# Altium PCB CMRat_GEN2.8.PcbDoc (part 3 of 4) (continued)
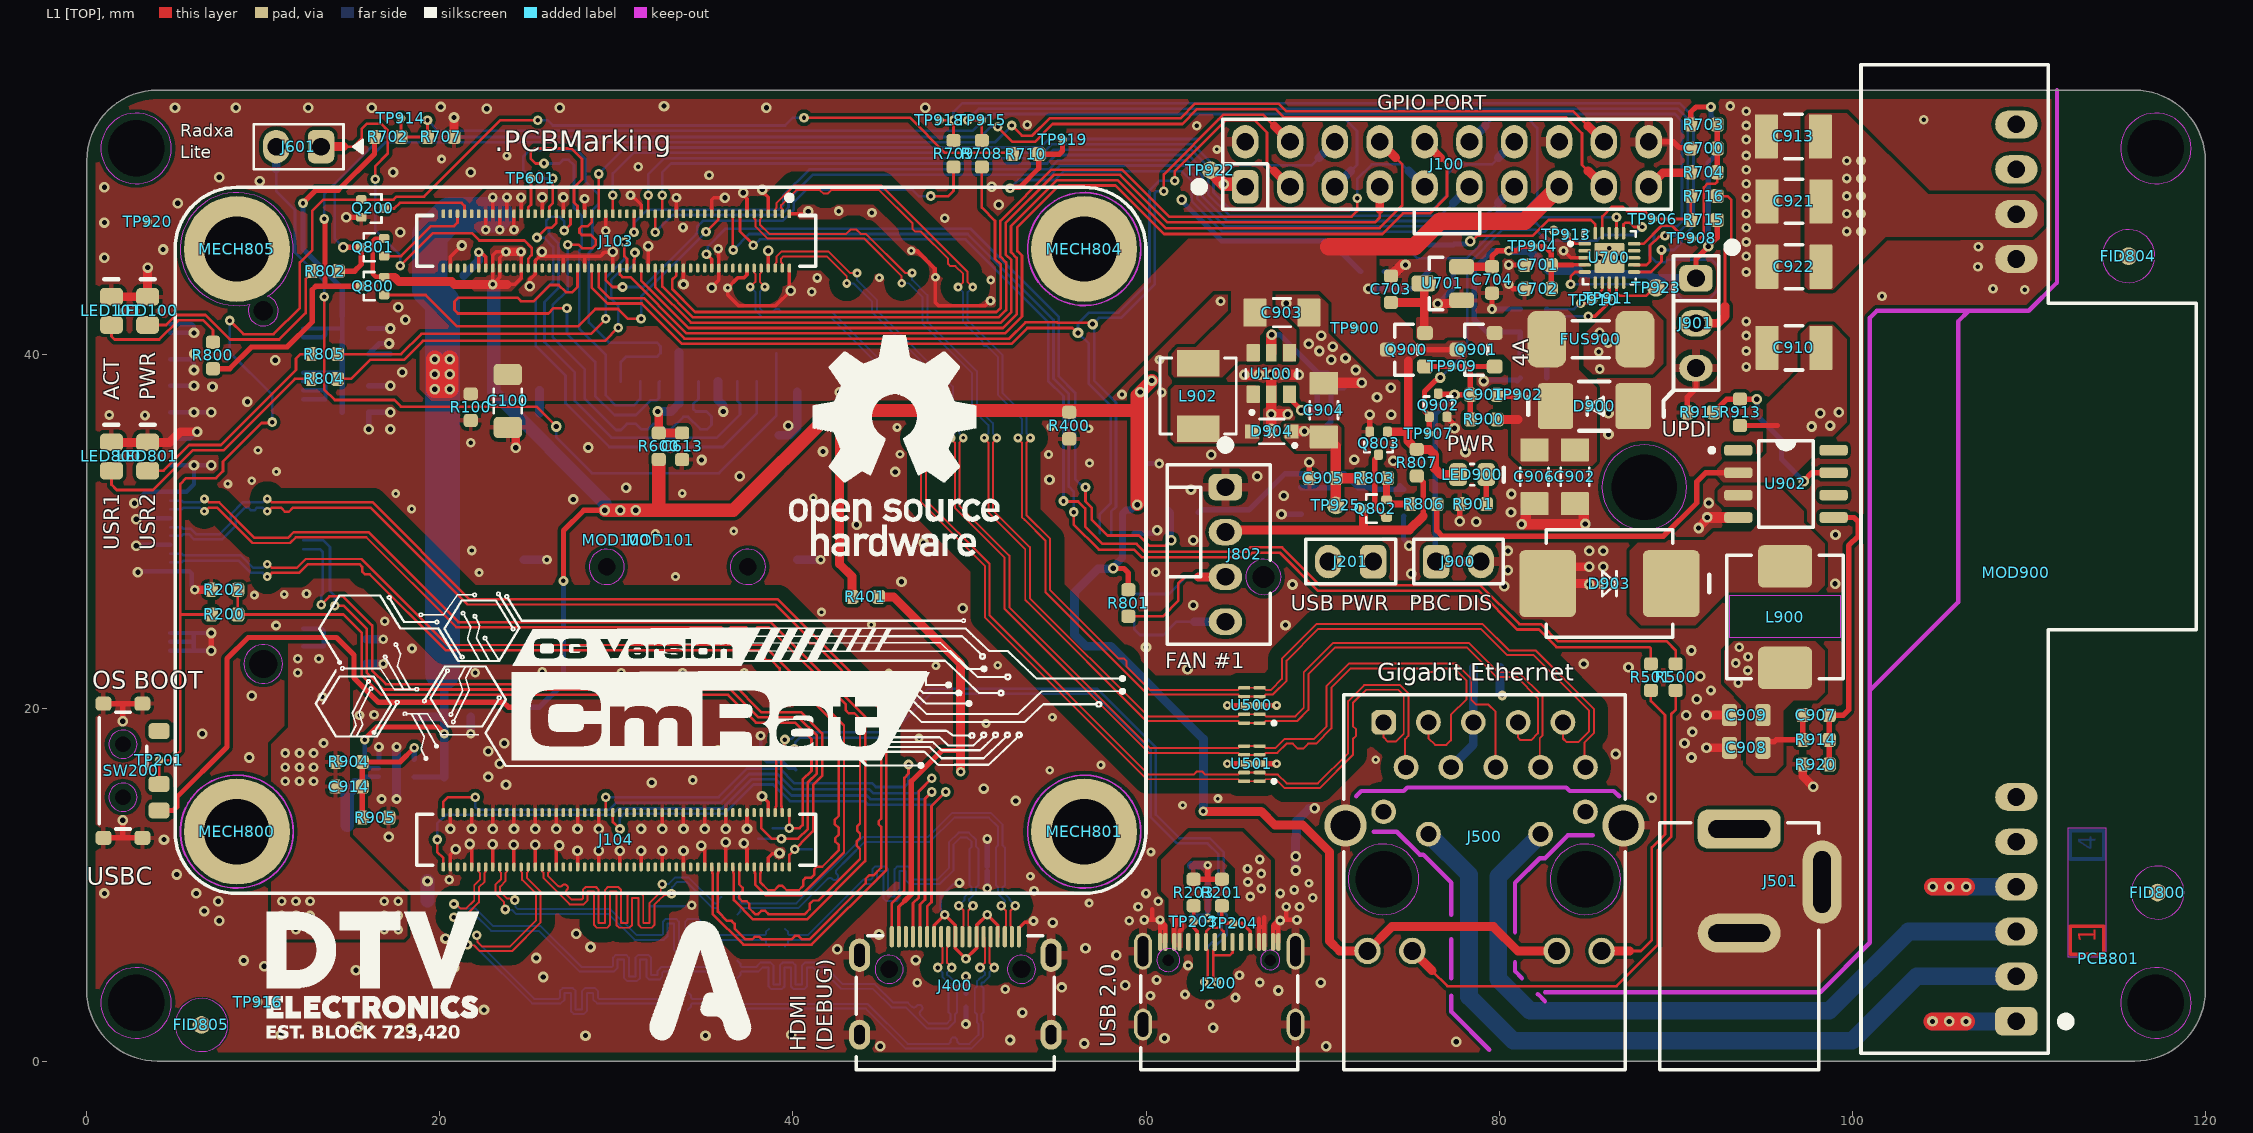
[diagram p0: L1 [TOP] view]
## Nets (pads, with @x,y where several pads share a name; then routed paths per layer and width w, separated by ;. In a path a pad name is that pad's centre, name@x,y a point inside that pad or via, vN(x,y) a via of type N, cw(c..) or ccw(c..) an arc to the next point about the centre after c; other vN are vias at no path point) (continued)
  L1 [TOP] w0.15: U700.19@85.85,46.9 85.85,47.849 86.401,48.4 86.989,48.4 87.294,48.095 88.305,48.095 TP906.1@88.7,47.7 90.8,47.7 R715.1@90.85,47.65 R716.2@90.85,49
MCU_USR_SWI: C700.2 R703.1 R704.2 TP908.1 U700.15 | length 11.6
  L1 [TOP] w0.15: U700.15@87.65,46.3 88.193,46.3 89.212,47.32 89.805,47.32 90.524,46.601 TP908.1@90.905,46.601 91.364,46.601 91.6,46.837 91.6,49.5 91.8,49.7 92.254,49.7 92.35,49.796 R704.2@92.35,50.35
  L1 [TOP] w0.3: R704.2@92.35,50.35 C700.2@92.35,51.7 R703.1@92.35,53.05
NetC500_2: C500.2 J500.4 J500.5 | length 6.2
  L4 [BOT] w0.5: J500.4@77.27,16.65 78.54,17.92 J500.5@78.54,19.19 ; J500.5@78.55,19.2 J500.5@78.54,19.19 ; C500.2@78.551,22.3 J500.5@78.54,19.19
NetC907_1: C907.1 R914.1 R920.1 U902.5 | length 16.4
  L1 [TOP] w0.3: R920.1@98.7,16.8 R914.1@98.7,18.2 C907.1@98.7,19.6 99.5,19.6 99.8,19.9 99.8,29.2 100.35,29.75 100.35,30.55 100.105,30.795 U902.5@98.95,30.795
NetC913_2: C913.2 C921.2 C922.2 L901.1 MOD900.8 | length 13.6
  L3 w0.5: 100.1,47 v1(100.5,47) v1(100.5,48) v1(100.5,49) v1(100.5,50) v1(100.5,51) 100.1,51 ; 100.1,47 v1(99.7,47) v1(99.7,48) v1(99.7,49) v1(99.7,50) v1(99.7,51) 100.1,51 ; 100.1,47 100.1,51
NetD902_2: D902.2 J501.1
NetD903_1: D903.1 L900.1 U902.3
NetD904_A: D904.A L902.2 U100.1
NetJ500_16: J500.16 R500.2 | length 30.5
  L1 [TOP] w0.15: 76.206,5.119 77.075,4.25 86.65,4.25 89,6.6 89,11.955 89.75,12.705 89.75,19.65 90,19.9 R500.2@90,21
  L1 [TOP] w0.5: J500.16@75.085,6.24 76.206,5.119
NetJ500_18: J500.18 R501.2 | length 17.9
  L1 [TOP] w0.15: 87.39,6.24 88.04,6.24 88.65,6.85 88.65,12.1 89.4,12.85 89.4,19.1 89.4,19.6 88.6,20.4 R501.2@88.6,21
  L1 [TOP] w0.5: J500.18@85.805,6.24 87.39,6.24
NetL903_1: L903.1 U900.6 | length 4
  L4 [BOT] w0.25: 15.2,15.65 15.65,16.1 U900.6@16.55,16.1
  L4 [BOT] w0.75: L903.1@14.75,13.35 14.75,15.2 15.2,15.65
NetLED100_2: LED100.2 R802.1 | length 12.9
  L1 [TOP] w0.15: LED100.2@3.45,41.7 4.501,41.7 5.065,42.264 6.726,42.264 8.115,40.875 10.9,40.875 12.395,42.37 12.395,44.312 12.75,44.667 R802.1@12.75,44.75
NetLED101_2: LED101.2 R800.1 | length 7.8
  L1 [TOP] w0.15: LED101.2@1.4,41.7 1.4,41.057 1.584,40.873 4.098,40.873 5.189,41.964 6.602,41.964 7.15,41.416 R800.1@7.15,40.725
NetLED800_2: LED800.2 R804.2 | length 14.8
  L1 [TOP] w0.15: LED800.2@1.4,33.45 1.4,32.65 1.7,32.35 3.75,32.35 6,34.6 7.75,34.6 11.8,38.65 R804.2@12.7,38.65
NetLED801_2: LED801.2 R805.2 | length 12.4
  L1 [TOP] w0.15: LED801.2@3.45,33.45 4.347,33.45 5.797,34.9 7.6,34.9 11.85,39.15 11.85,39.8 12.1,40.05 R805.2@12.7,40.05
NetLED900_1: LED900.1 R901.2 | length 2.3
  L1 [TOP] w0.3: R901.2@79.337,31.612 R901.2@79.275,31.55 LED900.1@79.275,33.225 ; LED900.1@79.337,33.163 LED900.1@79.275,33.225 ; LED900.1@79.575,33.525 LED900.1@79.275,33.225
NetQ802_1: Q802.1 Q803.3 | length 4
  L1 [TOP] w0.3: Q803.3@73.175,34.35 73.175,34.3 72.95,34.075 72.95,31.425 73.575,30.8 Q802.1@73.625,30.8
NetQ802_2: Q802.2 R803.1 R806.1 | length 2.7
  L1 [TOP] w0.4: R803.1@73.625,33.075 Q802.2@73.625,31.8 73.675,31.8 73.925,31.55 R806.1@74.975,31.55
NetR205_1: R205.1 U201.3 | length 1.6
  L4 [BOT] w0.3: R205.1@68.762,32.513 R205.1@68.8,32.475 U201.3@70.375,32.475
NetR902_2: R902.2 R903.1 U100.3 | length 3.4
  L1 [TOP] w0.3: U100.3@68.125,37.775 68.35,37.55 68.35,37.325 v4(68.8,36.875)
  L4 [BOT] w0.3: v4(68.8,36.875) 68.813,36.862 69.687,36.862 R903.1@69.7,36.85 R902.2@69.7,38.125
NetR913_1: R913.1 R915.1 U902.7 | length 10.4
  L1 [TOP] w0.3: R915.1@92.15,36.75 92.9,37.5 R913.1@93.65,37.5 v2(94.6,37.5) ; v2(97.25,32.85) 97.735,33.335 U902.7@98.95,33.335
  L4 [BOT] w0.3: v2(94.6,37.5) 94.6,36.577 96,35.177 96,34.1 v2(97.25,32.85)
OTG_SEL: Q200.1 R200.2 R710.1 SW200.2 TP201.1 | length 87
  L1 [TOP] w0.15: SW200.2@4.1,15.7 TP201.1@4.1,17.04 4.764,17.04 5.3,17.575 5.3,25.3 ; R200.2@7.05,25.3 5.3,25.3 ; v1(8.1,41.95) 8.875,41.175 10.575,41.175 12.073,42.673 12.073,45.248 12.775,45.95 12.775,48.175 13.4,48.8 Q200.1@15.55,48.8 17.388,48.8 17.553,48.965 19.111,48.965 23.446,53.3 v1(25.55,53.3) ; v1(10.5,36.2) 10.446,36.146 9.896,36.146 7.72,33.97 7.72,33.416 7.323,33.02 5.62,33.02 5.3,32.7 5.3,25.3 ; v1(40.626,53.444) 46.622,53.444 48.616,51.45 52.35,51.45 R710.1@52.425,51.375
  L4 [BOT] w0.15: v1(8.1,41.95) 8.1,40.15 10.5,37.75 v1(10.5,36.2) ; v1(25.55,53.3) 26.1,53.3 26.4,53 39.564,53 40.007,53.444 v1(40.626,53.444)
PBC_DBG: TP923.1 U700.9 | length 3.1
  L1 [TOP] w0.15: U700.9@86.65,44.1 86.65,43.55 86.85,43.35 88.325,43.35 88.775,43.8 TP923.1@88.9,43.8
PBC_RFU: U700.14
PBC_RXD: R709.1 TP918.1 U700.11 | length 55.9
  L1 [TOP] w0.15: TP918.1@48.3,53.3 v1(49.1,53.3) ; R709.1@49.1,52.15 v1@49.1,53.2 ; U700.11@87.65,44.7 88.6,44.7 89.2,45.3 v1(89.2,45.95)
  L4 [BOT] w0.15: v1(49.1,53.3) 49.1,53.768 49.582,54.25 90.24,54.25 91.01,53.48 91.01,47.31 90.35,46.65 90.35,46.4 89.9,45.95 v1(89.2,45.95)
PBC_TXD: R708.1 TP915.1 U700.12 | length 53.7
  L1 [TOP] w0.15: v1(49.9,53.3) TP915.1@50.7,53.3 R708.1@50.7,52.15 ; U700.12@87.65,45.1 88.35,45.1 88.55,45.3 88.55,46.197 89.048,46.695 89.345,46.695 v1(89.4,46.75)
  L4 [BOT] w0.15: v1(49.9,53.3) 50.55,53.95 90.116,53.95 90.683,53.383 90.683,47.458 89.974,46.75 v1(89.4,46.75)
PCIe_CLK_N: J300.53 MOD100.112 | length 57.3
  L1 [TOP] w0.141: v3(10.225,28.15) 10.284,28.15 10.487,27.947 11.907,27.947 12.403,28.443 15.572,28.443 20.442,23.573 38.339,23.573 42.893,19.019 42.893,11.828 40.538,9.473 40.452,9.387 38.482,9.387 37.853,10.016 37.853,10.64 37.827,10.667 37.827,10.973 MOD100.112@37.8,11
  L4 [BOT] w0.141: J300.53@4.725,28.75 5.373,28.75 5.476,28.647 8.728,28.647 9.428,27.947 9.963,27.947 10.166,28.15 v3(10.225,28.15)
PCIe_CLK_P: J300.55 MOD100.110 | length 57.3
  L1 [TOP] w0.141: v3(10.225,27.45) 10.284,27.45 10.487,27.653 12.028,27.653 12.525,28.15 15.45,28.15 15.6,28 15.6,27.734 15.754,27.58 16.02,27.58 20.321,23.279 38.218,23.279 38.4,23.097 38.4,22.805 38.508,22.697 38.8,22.697 39.25,22.247 39.25,21.918 39.368,21.8 39.697,21.8 42.6,18.897 42.6,13.9 42.357,13.657 42.357,13.443 42.6,13.2 42.6,12.833 42.4,12.633 42.4,12.44 42.6,12.24 42.6,11.95 41.661,11.011 41.353,11.011 41.204,10.862 41.204,10.554 41.032,10.382 40.711,10.382 40.572,10.242 40.572,9.922 40.33,9.68 39.65,9.68 39.405,9.925 39.194,9.925 38.948,9.68 38.604,9.68 38.147,10.137 38.147,10.64 38.173,10.667 38.173,10.973 MOD100.110@38.2,11
  L4 [BOT] w0.141: J300.55@4.725,28.25 5.373,28.25 5.476,28.353 8.607,28.353 9.307,27.653 9.963,27.653 10.166,27.45 v3(10.225,27.45)
PCIe_nCLKREQ: J300.52 MOD100.102 TP301.1 | length 46.8
  L1 [TOP] w0.15: v1(13.275,25.85) 13.75,26.325 14.525,26.325 16.169,24.681 16.169,22.12 16.939,21.35 36.625,21.35 38.203,19.772 40.452,19.772 41.659,18.566 41.659,16.159 41.15,15.65 41.15,13.026 39.8,11.676 MOD100.102@39.8,11
  L4 [BOT] w0.15: J300.52@12.275,29 13.22,29 13.367,28.854 13.367,26.467 13.275,26.375 v1(13.275,25.85) ; v1(40.1,12) TP301.1@41.05,12
PCIe_nRST: J300.50 MOD100.109 TP300.1 | length 47.7
  L1 [TOP] w0.15: v1(14.05,25.8) 14.55,25.8 15.869,24.481 15.869,21.996 16.815,21.05 36.475,21.05 38.053,19.472 40.328,19.472 41.352,18.448 41.352,16.3 40.85,15.798 40.85,13.15 40.3,12.6 v1(39.35,12.6) 38.8,12.6 38.2,13.2 MOD100.109@38.2,14.08
  L4 [BOT] w0.15: J300.50@12.275,29.5 13.4,29.5 13.782,29.118 13.782,26.618 14.05,26.35 v1(14.05,25.8) ; TP300.1@38.05,12.6 v1(39.35,12.6)
PCIe_RX_N: J300.41 MOD100.118 | length 64.2
  L1 [TOP] w0.141: v3(6.662,31.85) 6.721,31.85 6.924,31.647 7.503,31.647 9.507,29.643 11.4,29.643 11.727,29.97 15.953,29.97 21.055,24.869 26.686,24.869 38.74,24.868 38.825,24.783 ; MOD100.118@36.6,11 36.627,10.973 36.627,10.667 36.653,10.64 36.653,9.121 37.739,8.035 40.797,8.035 44.093,11.331 44.093,19.516 38.826,24.783
  L4 [BOT] w0.141: J300.41@4.725,31.75 5.373,31.75 5.476,31.647 6.4,31.647 6.603,31.85 v3(6.662,31.85)
PCIe_RX_P: J300.43 MOD100.116 | length 64.2
  L1 [TOP] w0.141: v3(6.662,31.15) 6.721,31.15 6.924,31.353 7.382,31.353 9.385,29.35 11.522,29.35 11.848,29.677 15.832,29.677 20.933,24.575 26.702,24.575 ; 26.702,24.575 35.954,24.575 36.12,24.41 36.307,24.41 36.472,24.575 37.345,24.575 37.573,24.348 37.754,24.348 37.982,24.575 38.619,24.575 42.997,20.197 42.997,19.863 43.151,19.709 43.485,19.709 43.8,19.394 43.8,13.45 43.637,13.287 43.637,13.063 43.8,12.9 43.8,12.629 43.61,12.439 43.61,12.21 43.8,12.02 43.8,11.453 41.447,9.1 41.15,9.1 40.95,8.9 40.95,8.603 40.675,8.328 38.615,8.328 38.426,8.518 38.218,8.518 38.028,8.328 37.861,8.328 37.529,8.66 37.529,8.914 37.383,9.06 37.129,9.06 36.947,9.242 36.947,9.438 37.145,9.636 37.145,9.82 36.947,10.018 36.947,10.64 36.973,10.667 36.973,10.973 MOD100.116@37,11
  L4 [BOT] w0.141: J300.43@4.725,31.25 5.373,31.25 5.476,31.353 6.4,31.353 6.603,31.15 v3(6.662,31.15)
PCIe_TX_N: J300.47 MOD100.124 | length 70.9
  L1 [TOP] w0.141: v3(10.225,31.85) 10.284,31.85 10.487,31.647 16.203,31.647 21.69,26.16 39.146,26.16 45.293,20.013 45.293,10.834 41.059,6.6 37.2,6.6 35.453,8.347 35.453,10.64 35.427,10.667 35.427,10.973 MOD100.124@35.4,11
  L4 [BOT] w0.141: J300.47@4.725,30.25 5.373,30.25 5.476,30.147 5.903,30.147 6.2,29.85 7.535,29.85 8.157,30.472 8.157,30.972 8.832,31.647 9.963,31.647 10.166,31.85 v3(10.225,31.85)
PCIe_TX_P: J300.49 MOD100.122 | length 70.9
  L1 [TOP] w0.141: v3(10.225,31.15) 10.284,31.15 10.487,31.353 10.997,31.353 11.228,31.122 11.445,31.122 11.676,31.353 16.082,31.353 21.569,25.866 39.025,25.866 40.836,24.056 40.836,23.807 40.966,23.677 41.214,23.677 44.31,20.581 44.31,20.365 44.469,20.206 44.686,20.206 45,19.891 45,18.27 44.812,18.082 44.812,17.817 45,17.629 45,13.73 44.856,13.586 44.856,13.419 45,13.275 45,10.956 44.561,10.516 44.311,10.516 44.125,10.33 44.125,10.081 40.938,6.893 40.523,6.893 40.327,7.09 40.107,7.09 39.91,6.893 38.243,6.893 38.082,7.054 37.859,7.054 37.698,6.893 37.321,6.893 36.697,7.518 36.697,7.776 36.525,7.947 36.267,7.947 35.747,8.468 35.747,10.64 35.773,10.667 35.773,10.973 MOD100.122@35.8,11
  L4 [BOT] w0.141: J300.49@4.725,29.75 5.373,29.75 5.476,29.853 5.782,29.853 6.078,29.557 7.657,29.557 8.45,30.35 8.45,30.85 8.953,31.353 9.147,31.353 9.3,31.2 9.497,31.2 9.65,31.353 9.963,31.353 10.166,31.15 v3(10.225,31.15)
POE_12V: C911.2 D901.2 L901.2
POE_A1: J500.11 MOD900.1 | length 53.2
  L1 [TOP] w1: v2(104.55,2.25) v2(105.5,2.25) v2(106.45,2.25)
  L2 w1: v2(104.55,2.25) v2(105.5,2.25) v2(106.45,2.25)
  L3 w1: J500.11@73.46,14.13 74.83,14.13 75.2,14.5 76.85,14.5 77.8,13.55 77.8,11.05 78.3,10.55 78.3,3.65 80.8,1.15 100,1.15 101.1,2.25 v2(105.5,2.25) v2(106.45,2.25)
  L4 [BOT] w1: v2(104.55,2.25) v2(105.5,2.25) v2(106.45,2.25) 109.29,2.25 MOD900.1@109.3,2.26
POE_A2: J500.12 MOD900.2 | length 43.7
  L4 [BOT] w1: J500.12@76,12.86 78.3,10.56 78.3,3.65 80.8,1.15 100,1.15 103.65,4.8 MOD900.2@109.3,4.8
POE_B1: J500.13 MOD900.3 | length 41.2
  L4 [BOT] w1: J500.13@82.35,12.86 79.95,10.46 79.95,4.65 81.75,2.85 98.7,2.85 103.19,7.34 MOD900.3@109.3,7.34
POE_B2: J500.14 MOD900.4 | length 54.3
  L1 [TOP] w1: v2(104.56,9.88) v2(105.51,9.88) v2(106.46,9.88)
  L2 w1: v2(104.56,9.88) v2(105.51,9.88) v2(106.46,9.88)
  L3 w1: J500.14@84.89,14.13 83.67,14.13 83.25,14.55 81.4,14.55 80.45,13.6 80.45,11.8 79.95,11.3 79.95,4.55 81.65,2.85 98.7,2.85 102.55,6.7 102.55,9.1 103.33,9.88 v2(104.56,9.88) v2(105.51,9.88) v2(106.46,9.88)
  L4 [BOT] w1: v2(104.56,9.88) v2(105.51,9.88) v2(106.46,9.88) MOD900.4@109.3,9.88
PWR_MOS: C901.1 J900.1 Q900.1 Q901.1 Q902.3 R900.1 TP909.1 | length 18.7
  L1 [TOP] w0.3: Q900.1@75.8,39.35 78.375,39.35 ; Q902.3@76.55,37.8 76.575,37.775 77.45,37.775 v4(77.475,37.75) C901.1@78.375,37.75 ; R900.1@78.375,36.35 C901.1@78.375,37.75 ; Q901.1@79.75,39.35 78.375,39.35 ; C901.1@78.375,37.75 78.375,39.35
  L4 [BOT] w0.3: J900.1@76.388,28.342 76.388,36.663 v4(77.475,37.75)
RTC_INT: U700.13
SD_CARD_DET: J601.1 MOD100.76 TP605.1 | length 23.1
  L1 [TOP] w0.15: 14.54,51.8 15.1,51.8 15.568,52.268 15.568,52.795 15.876,53.104 16.667,53.104 17.05,52.721 17.05,51.4 16.35,50.7 v1(16.35,49.95) ; v1(17.75,45.05) 19.6,46.9 21.821,46.9 22.235,46.486 24.788,46.486 25.2,46.074 25.2,45.65 25,45.45 MOD100.76@25,44.92
  L1 [TOP] w0.5: J601.1@13.27,51.8 14.54,51.8
  L4 [BOT] w0.15: v1(16.35,49.95) 16.35,47.05 17.75,45.65 v1(17.75,45.05)
SD_CD: J600.9 J601.2 TP604.1 | length 47.7
  L1 [TOP] w0.15: v1(13.45,43.3) 13.45,38.05 14.05,37.45 17.425,37.45 17.8,37.075 25.475,37.075 v4(26.6,35.95)
  L4 [BOT] w0.15: 10.73,50.53 10.73,49.275 11.8,48.205 11.8,45.8 13.45,44.15 v1(13.45,43.3) ; v4(26.6,35.95) 26.6,35.332 28.623,33.309 35.809,33.309 39.05,36.55 J600.9@39.05,38.5 TP604.1@39.05,40.1
  L4 [BOT] w0.5: 10.73,50.53 J601.2@10.73,51.8
STAT_LED: U700.18
USB_CC1: J200.A5 R203.1 TP203.1 | length 2.1
  L1 [TOP] w0.2: R203.1@62.7,8.8 TP203.1@62.7,7.9 62.7,7.55 62.892,7.358 62.892,6.758 J200.A5@62.9,6.75
USB_CC2: J200.B5 R201.1 TP204.1 | length 3.3
  L1 [TOP] w0.2: R201.1@64.3,8.8 64.3,8.016 64.516,7.8 65.45,7.8 65.9,7.35 J200.B5@65.9,6.75
USB_PWR_EN: R206.2 R207.2 U201.4 | length 13.3
  L4 [BOT] w0.3: R207.2@62.95,31.075 63.1,31.225 65.825,31.225 67.875,33.275 71.225,33.275 72.026,32.474 72.726,32.474 U201.4@72.8,32.4 R206.2@74.57,32.4 ; R206.2@74.373,32.597 R206.2@74.57,32.4 ; R206.2@74.57,32.4 74.575,32.4 R206.2@74.6,32.375 74.595,32.375 R206.2@74.57,32.4
USER1_LED: MOD100.46 R804.1 | length 23.2
  L1 [TOP] w0.15: R804.1@14.2,38.65 14.975,38.65 16.05,39.725 17.964,39.725 19.039,40.8 29.35,40.8 v1(30.1,41.55) ; MOD100.46@31,44.92 31,45.4 31.05,45.45 v1(31.05,45.8)
  L4 [BOT] w0.15: v1(30.1,41.55) 30.1,42.8 29.7,43.2 29.7,44.255 30.295,44.85 30.7,44.85 31.05,45.2 v1(31.05,45.8)
USER2_LED: MOD100.48 R805.1 | length 22.4
  L1 [TOP] w0.15: R805.1@14.2,40.05 17.8,40.05 18.95,41.2 28.55,41.2 v1(29.4,42.05) ; v1(30.45,46.4) 30.45,45.6 30.6,45.45 MOD100.48@30.6,44.92
  L4 [BOT] w0.15: v1(29.4,42.05) 29.4,44.379 30.45,45.429 v1(30.45,46.4)
USR_SWI: J100.19 R704.1 | length 2.7
  L1 [TOP] w0.5: J100.19@88.48,49.52 89.285,50.325 90.825,50.325 R704.1@90.85,50.35
pads on no net: C400.2@35.95,5.7 C401.2@33.15,2.9 C402.2@33.15,3.9 C403.2@35.95,4.7 C404.2@35.95,9.3 C405.2@35.95,8.3 C406.2@38.65,7.5 C407.2@38.65,6.5 FID800.0 FID801.0 FID802.0 FID803.0 FID804.0 FID805.0 J103.SMD J104.SMD J200.A8 J200.B8 J200.MH1 J200.MH2 J300. J300.5 J300.6 J300.7 J300.8 J300.10 J300.11 J300.13 J300.17 J300.19 J300.20 J300.22 J300.23 J300.24 J300.25 J300.26 J300.28 J300.29 J300.30 J300.31 J300.32 J300.34 J300.35 J300.36 J300.37 J300.38 J300.40 J300.42 J300.44 J300.46 J300.48 J300.54 J300.56 J300.58 J300.67 J300.68 J300.69 J400.17 J400.MH1 J400.MH2 J500.MH1 J500.MH2 J600.MH J802.MH MECH301.1 MECH800.1 MECH801.1 MECH804.1 MECH805.1 MOD100.16 MOD100.18 MOD100.19 MOD100.20 MOD100.25 MOD100.26 MOD100.27 MOD100.28 MOD100.29 MOD100.30 MOD100.31 MOD100.35 MOD100.36 MOD100.47 MOD100.49 MOD100.64 MOD100.68 MOD100.70 MOD100.72 MOD100.73 MOD100.80 MOD100.82 MOD100.89 MOD100.91 MOD100.92 MOD100.94 MOD100.96 MOD100.97 MOD100.99 MOD100.100 MOD100.104 MOD100.106 MOD100.111 MOD100.115 MOD100.117 MOD100.121 MOD100.123 MOD100.127 MOD100.128 MOD100.129 MOD100.130 MOD100.133 MOD100.134 MOD100.135 MOD100.136 MOD100.139 MOD100.140 MOD100.141 MOD100.142 MOD100.143 MOD100.145 MOD100.146 MOD100.147 MOD100.148 MOD100.149 MOD100.152 MOD100.154 MOD100.157 MOD100.158 MOD100.159 MOD100.160 MOD100.163 MOD100.164 MOD100.165 MOD100.166 MOD100.169 MOD100.171 MOD100.175 MOD100.177 MOD100.181 MOD100.183 MOD100.187 MOD100.189 MOD100.193 MOD100.194 MOD100.195 MOD100.196 MOD900.5 MOD900.6 MOD900.9 MOD900.10 SW200.1 SW200.MH1 U200.4 U200.5 U200.6 U200.7 U801.7 U801.8 U900.2 U900.5 U902.1 U902.6 U902.8

## Polygon pours and split planes (outlines as drawn)
GND on L1 [TOP] "L1_GND" (solid, remove dead copper, pour order 97): 0,55 120,55 120,0 0,0
+12V_IN on L1 [TOP] "DIR_L1_12V_IN" (solid, remove dead copper, pour order 84): 99.7,36.2 98.9,35.4 98,35.4 97.7,35.1 97.7,34.2 96.3,32.8 92.7,32.8 92.35,33.15 92.35,33.55 92.75,33.95 94.65,33.95 95.15,34.45 95.15,36.45 95.15,37.2 97.1,39.15 97.1,41.2 97.6,41.7 98.9,41.7 99.7,40.9
NetC913_2 on L1 [TOP] "DIR_L1_NetC505_2" (solid, remove dead copper, pour order 85): 97.5,53.7 99.7,53.7 104.3,49.1 110.35,49.1 110.85,48.6 110.85,47.35 110.21,46.71 108.81,46.71 106.164,46.71 101.91,46.71 98.9,43.7 97.5,43.7 97.3,43.9 97.3,53.5
GND on L1 [TOP] "DIR_GND_L01_P098" (solid, remove dead copper, pour order 103): 93.275,42.161 93.275,38.439 97,38.439 97,42.161
GND on L1 [TOP] "DIR_GND_L01_P098" (solid, remove dead copper, pour order 102): 93.8,54.361 93.8,43.2 96.9,43.2 96.9,54.361
+5V_USB on L1 [TOP] "DIR_L1_+5V_IN" (solid, remove dead copper, pour order 80): 61.275,11.837 60.85,11.412 60.85,9.625 61.275,9.2 61.275,8.003 61.275,6.25 61.425,6.1 61.875,6.1 62.125,6.35 62.125,7.402 62.311,7.588 62.311,8.247 62.125,8.434 62.125,11.075 62.608,11.558 64.397,11.558 65.05,10.904 65.05,8.478 66.125,7.403 66.125,6.282 66.307,6.1 66.775,6.1 66.925,6.25 66.925,7.9 67.075,8.05 67.075,11.375 65.45,13 62.461,13
GND on L1 [TOP] "DIR_NETD904_A_L01_P038" (solid, remove dead copper, pour order 107): 100.1,7.4 100.1,13.6 93.2,13.6 90.15,10.55 90.15,5 97.7,5
GND on L1 [TOP] "DIR_GND_L01_P098" (solid, remove dead copper, pour order 106): 106.164,46.71 106.164,42.989 109.689,42.989 111.1,44.4 111.1,46.71
GND on L1 [TOP] "DIR_NETD904_A_L01_P038" (solid, remove dead copper, pour order 105): 93.7,16.5 93.7,20.15 92.675,21.175 90.95,21.175 90.95,16.5
GND on L1 [TOP] "DIR_NETD904_A_L01_P038" (solid, remove dead copper, pour order 104): 85.9,25.6 85.9,28.25 84.875,29.275 80.325,29.275 80.1,29.05 80.1,26.25 81.75,24.6 84.9,24.6
NetD903_1 on L1 [TOP] "DIR_L1_D500_1" (solid, remove dead copper, pour order 82): 94.4,31.4 94.65,31.15 94.65,30.4 94.25,30 93.475,30 92.15,30 91.65,29.5 88,29.5 87.4,28.9 87.4,25.35 88.05,24.7 91.1,24.7 92.85,26.45 97.95,26.45 98.45,26.95 98.45,29.3 97.25,30.5 97.25,31.15 95.8,32.6 92.7,32.6 92.4,32.3 92.4,31.75 92.75,31.4
+5V on L1 [TOP] "DIR_L1_+5V" (solid, remove dead copper, pour order 78): 68.35,43.625 63.815,43.625 57.59,37.4 19.5,37.4 18.85,38.05 18.85,41.625 57.45,41.625 62.45,46.625 68.35,46.625 73.05,46.625 73.05,43.499 74.75,41.8 75.1,41.45 75.1,40.9 75.35,40.65 76.958,40.65 77.108,40.8 78.018,40.8 78.207,40.611 78.207,39.907 78.05,39.75 77.05,39.75 76.9,39.9 75.3,39.9 75.1,39.7 75.1,39.1 74.8,38.8 73.075,38.8 70.525,41.35 70.525,42.95 69.85,43.625
GND on L1 [TOP] "DIR_GND_L01_P098" (solid, remove dead copper, pour order 101): 67.75,43.625 67.75,40.95 70.325,40.95 70.325,43.625
GND on L1 [TOP] "DIR_GND_L01_P099" (solid, remove dead copper, pour order 99): 80.8,32.75 85.525,32.75 85.525,30.575 80.8,30.575
+5V_FUS on L1 [TOP] "DIR_L1_+5V_FUS" (solid, remove dead copper, pour order 79): 83.9,42.55 84.5,41.95 84.5,39.174 85.525,38.149 85.525,33.975 85.27,33.72 81.305,33.72 80.7,34.325 80.7,35.775 80.7,39.6 80.25,40.05 79.2,40.05 78.45,40.8 75.3,40.8 75.3,42.15 80.3,42.15 80.7,42.55
GND on L1 [TOP] "DIR_GND_L01_P098" (solid, remove dead copper, pour order 100): 86,38.675 86,35.375 89,35.375 89,38.675
GND on L1 [TOP] "DIR_GND_L01_P098" (solid, remove dead copper, pour order 98): 68.85,39.4 68.85,37.4 71.4,37.4 71.4,39.4
+5V on L1 [TOP] "DIR_5VIN_P001" (solid, remove dead copper, pour order 95): 61.6,38.75 64.325,38.75 65.225,39.65 66.45,39.65 66.45,40.725 66.45,41.1 66.9,41.55 67.425,41.55 67.75,41.225 67.75,39.65 68.5,39.65 68.5,41.425 67.35,42.575 67.15,42.775 67.15,43.9 64.825,43.9 64.825,43.45 64.825,42.425 62.825,40.425 61.8,40.425 61.45,40.075 61.45,38.9
+12V_AUX on L1 [TOP] "DIR_VCC_12V_AUX_L01_P040" (solid, remove dead copper, pour order 96): 70.75,34.575 68.525,34.575 67.8,35.3 67.8,36.05 67.85,36.1 70.825,36.1 71.05,35.875 71.05,34.875
NetD904_A on L1 [TOP] "DIR_NETD904_A_L01_P038" (solid, remove dead copper, pour order 93): 66.45,35.225 66.45,38 66.175,38.275 61.625,38.275 61.4,38.05 61.4,35.25 61.65,35 66.225,35
+3V3 on L1 [TOP] "L1_+3V3" (solid, remove dead copper, pour order 77): 24.7,46.2 24.9,46 24.9,45.65 24.749,45.499 24.749,44.294 24.055,43.6 21.95,43.6 21.8,43.75 21.8,44.2 22,44.4 22.6,44.4 22.85,44.65 22.85,46 23.05,46.2
+5V on L1 [TOP] "L1_+5V" (solid, remove dead copper, pour order 75): 24,46.7 24.3,46.7 24.8,47.2 24.8,48.45 25,48.65 25,49.2 24.85,49.35 22.65,49.35 21.95,48.65 21.95,47.05 22.3,46.7
+5V_IN on L1 [TOP] "DIR_L1_+5V_IN" (solid, remove dead copper, pour order 90): 88.5,42.75 89.3,41.95 89.3,39.5 88.7,38.9 85.3,38.9 84.8,39.4 84.8,41.15 85.5,41.85 86.4,42.75
+5V_IN on L1 [TOP] "DIR_L1_+5V_IN" (solid, remove dead copper, pour order 83): 94.65,23.85 93.35,23.85 92.75,23.25 92.75,21.45 94,20.2 94,16.85 94.5,16.35 95.65,16.35 96.1,16.8 96.1,19.85 96.7,20.45 98,20.45 98.45,20.9 98.45,23.25 97.85,23.85
+3V3_PCIE on L1 [TOP] "+3V3_PCIE" (solid, remove dead copper, pour order 33): 14.9,19.05 14.9,20.65 14.9,23.24 14.14,24 11.4,24 11.4,20.2 11.4,18.9 10.45,17.95 10.45,9.7 10.45,7.35 10.9,6.9 13.75,6.9 17.95,6.9 18.15,7.1 18.15,9.5 17.65,10 14.9,12.75
GND on L4 [BOT] "L4_GND" (solid, remove dead copper, pour order 94): 0,55 120,55 120,0 0,0
+5V_IN on L4 [BOT] "L1_+5V_IN" (solid, remove dead copper, pour order 88): 88.4,35.8 88.2,35.8 85.15,38.85 85.15,39.05 85.15,41.55 86.45,42.85 88.8,42.85 89.7,41.95 89.7,38.8 90.4,38.1 92.5,38.1 95.6,35 95.6,25.7 95.6,22.775 93.85,21.025 93.175,21.025 92.35,21.85 92.35,33.1 89.65,35.8
NetC913_2 on L4 [BOT] "DIR_L1_NetC505_2" (solid, remove dead copper, pour order 76): 96.8,51.4 100.648,51.4 101,51.048 101,46.7 100.3,46 96.6,46 95.1,47.5 95.1,49.7
POE_12V on L4 [BOT] "DIR_L1_POE_12V" (solid, remove dead copper, pour order 81): 99.15,43.4 100.8,41.75 103.9,41.75 104.3,41.35 104.3,39.45 103.9,39.05 100.7,39.05 100.05,39.7 97.75,39.7 96.2,39.7 95.1,40.8 95.1,43.9 95.3,44.1 98.45,44.1
GND on L4 [BOT] "DIR_NETD904_A_L01_P038" (solid, remove dead copper, pour order 108): 100.3,7.7 100.3,13.2 90.6,13.2 90.6,5.175 97.775,5.175
+5V_IN on L4 [BOT] "DIRECT_L1_+5V_IN" (solid, remove dead copper, pour order 91): 74.758,26.2 74.4,26.558 74.4,28.775 73.65,29.525 73.3,29.875 73.3,30.75 73.125,30.925 72.5,30.925 72.3,30.725 72.3,29.933 71.892,29.525 71.625,29.525 71.625,26.15 71.625,23.8 80.1,23.8 91.8,23.8 92.4,23.2 93,23.2 93,23.8 93,26.15 93,26.9 92.4,26.9 91.7,26.2
+5V on L4 [BOT] "DIR_L4_+5V" (solid, remove dead copper, pour order 63): 18.2,15.85 19.05,15.85 19.45,15.45 20.7,15.45 20.95,15.7 20.95,20.25 21.15,20.45 21.15,22.25 20.9,22.5 19.35,22.5 19.15,22.3 19.15,21.15 18.55,20.55 18.05,20.05 18.05,18.85 18.6,18.3 18.8,18.3 19.3,17.8 19.3,16.5 19.15,16.35 18.2,16.35 18.1,16.25 18.1,15.95
+3V3_PCIE on L4 [BOT] "DIR_L4_+3V3_PCIE" (solid, remove dead copper, pour order 61): 13.2,39.4 13.05,39.25 11.5,39.25 11.318,39.068 11.318,37.432 11.5,37.25 13.05,37.25 13.2,37.1 13.2,30.32 14.15,29.37 14.15,25.75 13.15,24.75 11.55,24.75 11.25,24.45 11.25,20.5 10.6,19.85 10.6,14.85 11.1,14.35 11.1,7.25 11.7,6.65 12.4,6.65 12.8,7.05 12.8,14.3 15.15,16.65 15.15,20.15 15.15,21.75 15.15,24.2 16.8,25.85 16.8,34.1 15.375,35.525 15.375,39 15.375,39.475 15.162,39.688 15.162,42.738 14.9,43 13.9,43 13.2,42.3 13.2,41.95 13,41.75 11.45,41.75 11.318,41.618 11.318,40.882 11.45,40.75 13.05,40.75 13.2,40.6
+5V_USB on L4 [BOT] "DIRECT_L1_+5V_USB" (solid, remove dead copper, pour order 92): 65.35,9.225 65.75,8.825 66.7,8.825 67.05,9.175 67.05,12.85 70.2,16 70.2,22.55 71.425,23.775 71.425,29.525 70.95,30 70.95,30.575 70.725,30.8 70.125,30.8 69.95,30.625 69.95,29.55 69.925,29.525 69.372,28.972 69.372,25.047 68.375,24.05 68.375,16.875 65.35,13.85
NetD902_2 on L4 [BOT] "DIR_L1_NetD502_2" (solid, remove dead copper, pour order 87): 99.7,27.75 100.9,28.95 103.95,28.95 104.6,28.3 104.6,24.75 96.9,17.05 96.9,12.3 95.8,11.2 91.25,11.2 90.15,12.3 90.15,14.45 91.1,15.4 93.95,18.25 93.95,19.55 99.7,25.3
+12V_IN on L4 [BOT] "DIR_L1_12V_IN" (solid, remove dead copper, pour order 86): 103.9,37.3 104.35,36.85 104.35,30.9 103.95,30.5 101.05,30.5 100.45,31.1 100.45,34.65 99.85,35.25 97.35,35.25 96.95,35.65 96.95,36.85 97.4,37.3
+3V3_PCIE on L4 [BOT] "DIR_L4_+3V3_PCIE" (solid, remove dead copper, pour order 15): 19.1,8.1 19.65,8.1 19.8,7.95 19.8,6.1 19.6,5.9 9.9,5.9 9.4,6.4 9.4,10.15 9.9,10.65 11.5,10.65 13,9.15 16.398,9.15 17.002,9.75 17.75,9.75 18.4,9.1 18.4,8.8
+3V3 on L4 [BOT] "L4_+3V3" (solid, remove dead copper, pour order 74): 23.45,42.8 24.4,43.75 24.4,44 25,44.6 25,45.05 25,46.15 24.8,46.35 23.45,46.35 23.25,46.15 23.25,44.8 22.55,44.1 22.55,43 22.75,42.8
+5V on L4 [BOT] "L4_+5V" (solid, remove dead copper, pour order 73): 24.85,49.35 25.15,49.05 25.15,47.3 24.55,46.7 22.3,46.7 21.95,47.05 21.95,48.65 22.65,49.35
GND on L2 "L2_GND" (solid, remove dead copper, pour order 109): 120,55 120,0 0,0 0,55
NetC913_2 on L2 "DIR_L1_NetC505_2" (solid, remove dead copper, pour order 49): 99.6,51.6 101.8,51.6 104.3,49.1 110.35,49.1 110.85,48.6 110.85,47.35 110.21,46.71 108.81,46.71 106.164,46.71 101.91,46.71 101.4,46.2 99.6,46.2 99.044,46.756 99.044,51.044
+5V on L2 "L2_+5V" (solid, remove dead copper, pour order 69): 24.85,49.35 25.15,49.05 25.15,47.3 24.55,46.7 22.3,46.7 21.95,47.05 21.95,48.65 22.65,49.35
GND on L3 "L3_GND" (solid, remove dead copper, pour order 71): 0,55 120,55 120,0 0,0
+5V on L3 "L3_+5V" (solid, remove dead copper, pour order 51): 24.85,49.35 25.15,49.05 25.15,47.3 24.55,46.7 22.3,46.7 21.95,47.05 21.95,48.65 22.65,49.35

## Keep-outs
L1 [TOP]:
  circle w0.1: c56.5,46 r3.2
  circle w0.1: c56.5,13 r3.2
  circle w0.1: c8.5,13 r3.2
  circle w0.05: c88.227,32.512 r2.4
  rectangle: 93.05,24 99.35,26.35
  lines w0.05: 9.244,42.888 cw(c8.5,46) 10.25,43.321
  lines w0.25: 71.9,15 72.2,15.3 74.6,15.3 74.8,15.5 83.8,15.5 84,15.3 86.4,15.3 86.5,15.3 86.8,15 ; 72.9,13 74.2,13 75.5,11.7 75.7,11.7 77.3,10.1 77.3,8.3 ; 77.3,3.7 77.3,2.8 79.45,0.65 ; 77.3,4.7 77.3,6.9 ; 80.9,5.6 80.9,5.1 81.3,4.7 ; 80.9,7.3 80.9,10.1 82.3,11.5 82.6,11.5 83.9,12.8 85.3,12.8 ; 82.2,3.8 82.6,3.4 ; 101,20.5 101,42.1 101.4,42.5 106.6,42.5
L2:
  circle w0.1: c56.5,46 r2.4
  circle w0.1: c56.5,13 r2.4
  circle w0.1: c8.5,46 r2.4
  circle w0.1: c8.5,13 r2.4
  circle w0.05: c88.227,32.512 r2.6
  rectangle: 93.05,24 99.35,26.35
  lines w0.05: 9.243,42.886 cw(c10,42.5) 10.249,43.313
  lines w0.25: 71.9,15 72.2,15.3 74.6,15.3 74.8,15.5 83.8,15.5 84,15.3 86.5,15.3 86.8,15 ; 72.9,13 74.2,13 75.5,11.7 75.7,11.7 77.3,10.1 77.3,2.8 79.45,0.65 ; 82.6,3.4 80.9,5.1 80.9,10.1 82.3,11.5 82.6,11.5 83.9,12.8 85.3,12.8 ; 101,20.5 101,42.1 101.4,42.5 106.6,42.5
L3:
  circle w0.1: c56.5,13 r2.4
  circle w0.1: c56.5,46 r2.4
  circle w0.1: c8.5,46 r2.4
  circle w0.1: c8.5,13 r2.4
  circle w0.05: c88.227,32.512 r2.6
  region: 13.05,11.35 13.05,9.35 16.45,9.35 16.45,11.35
  lines w0.05: 9.243,42.886 cw(c10,42.5) 10.249,43.313
  lines w0.25: 71.9,15 72.2,15.3 74.6,15.3 74.8,15.5 83.8,15.5 84,15.3 86.5,15.3 86.8,15 ; 72.9,13 74.2,13 75.5,11.7 75.7,11.7 77.3,10.1 77.3,2.8 79.45,0.65 ; 82.275,3.725 80.9,5.1 80.9,10.1 82.3,11.5 82.6,11.5 83.9,12.8 85.3,12.8 ; 101,20.5 101,42.1 101.4,42.5 106.6,42.5
L4 [BOT]:
  circle w0.1: c56.5,46 r2.4
  circle w0.1: c56.5,13 r2.4
  circle w0.1: c8.5,46 r2.4
  circle w0.1: c8.5,13 r2.4
  region: 13.05,11.35 13.05,9.35 16.45,9.35 16.45,11.35
  lines w0.05: 9.243,42.886 cw(c10,42.5) 10.249,43.313
  lines w0.25: 71.9,15 72.2,15.3 74.6,15.3 74.8,15.5 83.8,15.5 84,15.3 86.5,15.3 86.8,15 ; 72.9,13 74.2,13 75.5,11.7 75.7,11.7 77.3,10.1 77.3,2.8 79.45,0.65 ; 82.2,3.8 80.9,5.1 80.9,10.1 82.3,11.5 82.6,11.5 83.9,12.8 85.3,12.8